# Altium PCB Cell_121.PcbDoc (part 3 of 3)
Units mm, origin at the board's own origin, x right, y up, seen from the top; angles counter-clockwise.
Board outline 240 x 140.7 mm, 2 copper layers (Top Layer, Bottom Layer); 104 components, 188 nets, 1002 pads, 411 vias.
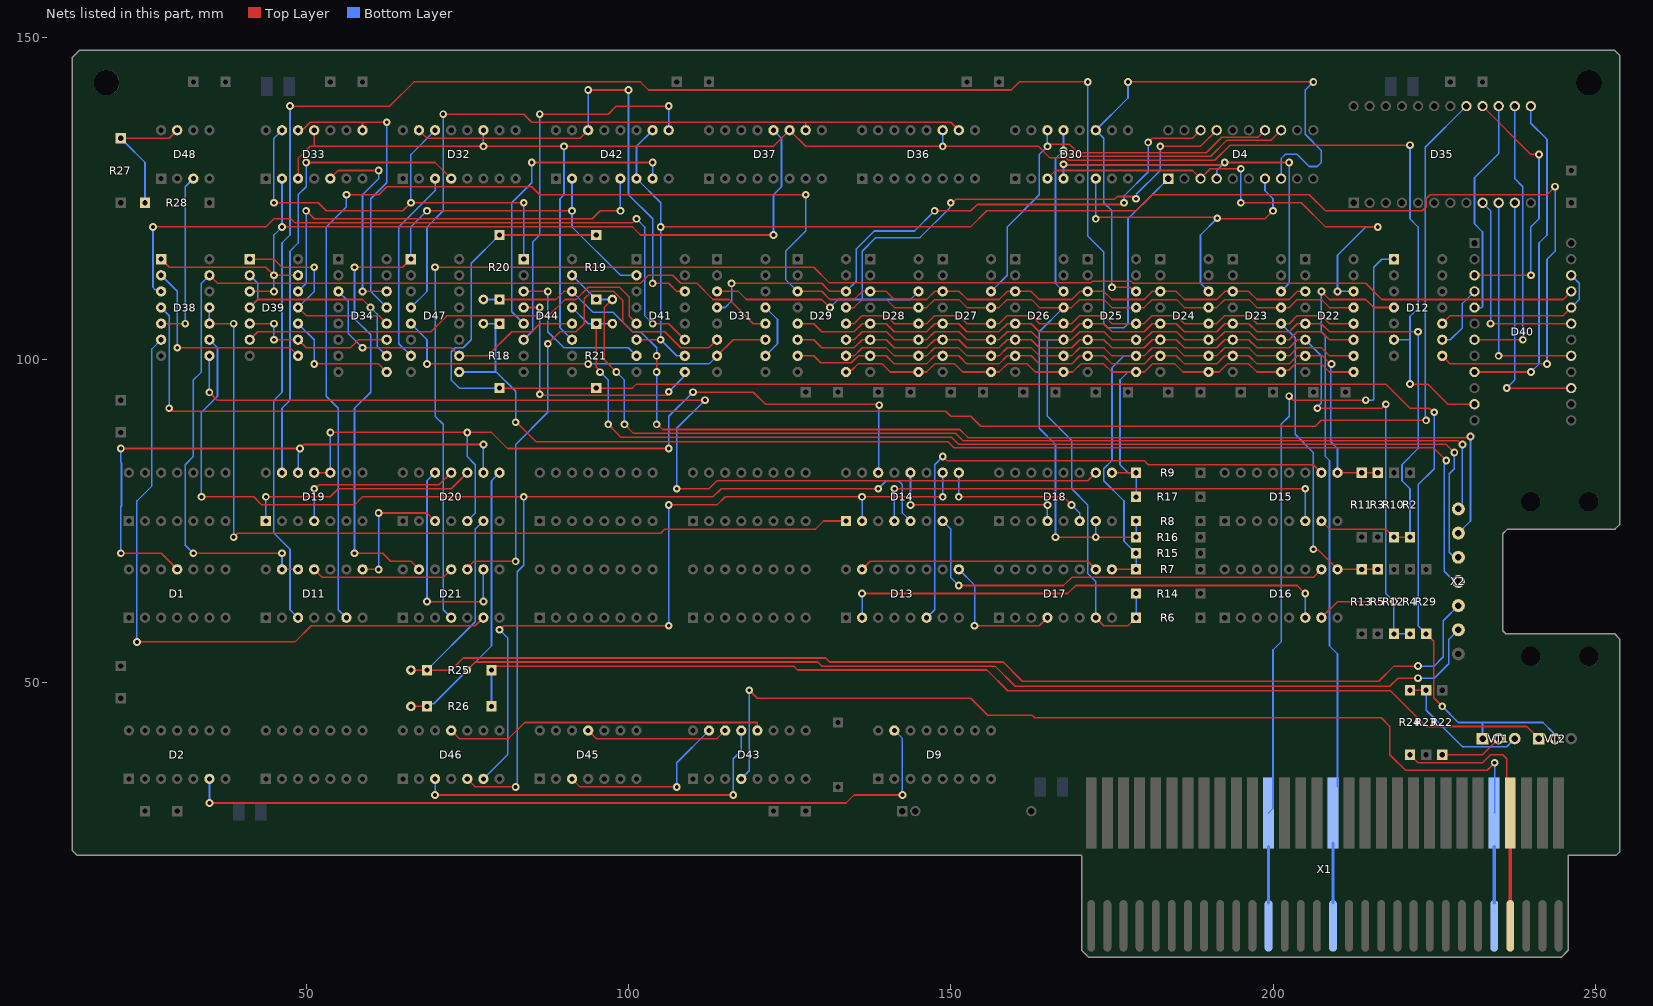
[diagram p3: the nets of this part, all layers, seen from the top]

## Via types
v1: diameter 1.2, hole 0.6, Top Layer to Bottom Layer, 411 vias

## Nets (pads, with @x,y where several pads share a name; then routed paths per layer and width w, separated by ;. In a path a pad name is that pad's centre, name@x,y a point inside that pad or via, vN(x,y) a via of type N, cw(c..) or ccw(c..) an arc to the next point about the centre after c; other vN are vias at no path point) (continued)
NetD11_6: D11.6 D22.3 D23.3 D24.3 D25.3 D26.3 D27.3 D28.3 D29.3 | length 243.6
  Top Layer w0.25: v1(56.25,125.625) 61.25,125.625 62.5,126.875 85,126.875 86.25,125.625 v1(127.5,125.625) ; D29.3@126.244,110.617 126.258,110.617 129.996,110.629 131.25,109.375 135,109.375 136.25,110.625 137.494,110.617 137.507,110.617 140,110.625 141.25,109.375 146.25,109.375 147.5,110.625 148.743,110.617 148.758,110.617 151.25,110.625 151.338,110.625 152.588,109.375 157.5,109.375 158.75,110.625 159.994,110.617 160.008,110.617 162.5,110.625 163.75,109.375 168.75,109.375 170,110.625 171.244,110.617 171.258,110.617 173.75,110.625 175,109.375 180,109.375 181.25,110.625 182.494,110.617 182.508,110.617 185,110.625 186.25,109.375 191.25,109.375 192.5,110.625 193.744,110.617 193.758,110.617 196.25,110.625 197.5,109.375 202.5,109.375 203.75,110.625 D22.3@204.994,110.617
  Bottom Layer w0.25: D11.6@56.25,60 55,61.25 55,92.5 53.125,94.375 53.125,120.625 56.25,123.75 v1(56.25,125.625) ; D29.3@126.244,110.617 124.375,112.486 124.375,116.875 127.5,120 v1(127.5,125.625)
NetD11_8: D11.8 D20.3 | length 20.5
  Top Layer w0.25: D11.8@58.75,67.5 v1(61.25,67.5) ; v1(61.25,76.25) 68.75,76.25 D20.3@70,75
  Bottom Layer w0.25: v1(61.25,67.5) v1(61.25,76.25)
NetD11_11: D11.11 D21.11 | length 22.3
  Top Layer w0.25: D11.11@51.25,67.5 52.5,66.25 71.25,66.25 D21.11@72.5,67.5
NetD11_12: D11.12 D11.13 D31.12 D38.13 | length 154.3
  Top Layer w0.25: v1(32.5,70) v1(46.25,70) ; D38.13@34.994,113.117 36.236,111.875 101.875,111.875 103.125,113.125 106.875,113.125 108.125,111.875 110.625,111.875 113.125,109.375 115.625,109.375 119.375,105.625 D31.12@121.25,105.625 ; D11.13@46.25,67.5 D11.12@48.75,67.5
  Bottom Layer w0.25: v1(32.5,70) 31.25,71.25 31.25,83.75 32.5,85 32.5,96.875 33.75,98.125 33.75,111.874 D38.13@34.994,113.117 ; D11.13@46.25,67.5 v1(46.25,70)
NetD12_1: D12.1 X1.A12 | length 103.6
  Top Layer w0.25: v1(202.5,94.375) 203.125,93.75 v1(214.375,93.75)
  Bottom Layer w0.25: X1.A12@199.3,29.7 200,30.4 200,55 201.25,56.25 201.25,90 202.5,91.25 v1(202.5,94.375) ; v1(214.375,93.75) 215.479,93.75 215.625,93.896 215.625,114.375 216.867,115.617 D12.1@218.744,115.617
NetD12_4: D12.4 X1.A16 | length 90.2
  Top Layer w0.25: v1(207.5,110.625) 208.75,109.375 214.375,109.375 215.625,108.125 218.736,108.125 D12.4@218.744,108.117
  Bottom Layer w0.25: v1(207.5,110.625) 207.5,104.375 208.052,103.823 208.125,103.75 208.125,85 208.75,84.375 208.75,55.625 210,54.375 X1.A16@210,33.75
NetD12_6: D12.6 D32.11 D33.3 D33.11 D36.11 D37.11 D40.11 D44.11 | length 270.8
  Top Layer w0.25: D33.3@48.75,128.125 48.75,131.25 50.625,133.125 51.104,133.125 51.25,133.271 ; D33.11@51.25,135.625 51.25,133.271 ; v1(221.245,133.313) 193.313,133.313 190.953,130.953 168.286,130.953 167.906,131.333 165.407,131.333 163.615,133.125 v1(148.75,133.125) 127.5,133.125 D37.11@125,135.625 122.5,133.125 120,133.125 v1(90,133.125) v1(77.5,133.125) 51.396,133.125 51.25,133.271 ; v1(221.25,96.25) 224.017,96.25 227.142,93.125 D40.11@231.25,93.125
  Bottom Layer w0.25: v1(77.5,133.125) D32.11@77.5,135.625 ; v1(90,133.125) 90,125.625 89.375,125 89.375,104.986 D44.11@91.244,103.117 ; v1(148.75,133.125) D36.11@148.75,135.625 ; D12.6@218.75,103.125 221.25,103.125 ; v1(221.245,133.313) 221.245,121.88 222.5,120.625 222.5,107.979 221.25,106.729 221.25,103.125 ; v1(221.25,96.25) 221.25,103.125
NetD12_8: D12.8 D41.6 D41.10 D42.6 D42.10 | length 232.6
  Top Layer w0.25: D41.6@101.25,103.125 v1(105,103.125) ; v1(105,120.625) 153.067,120.625 155.567,123.125 178.75,123.125 181.25,125.625 205.625,125.625 208.125,123.125 223.125,123.125 223.75,123.75 223.75,125 224.375,125.625 242.5,125.625 v1(243.75,126.875) ; D12.8@226.243,100.617 227.486,99.375 v1(242.5,99.375)
  Bottom Layer w0.25: D42.10@103.75,135.625 101.25,133.125 D42.6@101.25,128.125 105,124.375 v1(105,120.625) v1(105,103.125) 107.5,100.625 108.736,100.625 D41.10@108.744,100.617 ; v1(242.5,99.375) 242.5,115.625 243.75,116.875 v1(243.75,126.875)
NetD12_9: D12.9 D40.4 | length 10.3
  Bottom Layer w0.25: D12.9@226.25,103.125 227.5,103.125 229.376,105.001 229.376,108.749 D40.4@231.243,110.617
NetD12_10: D12.10 D40.20 D40.22 | length 27.1
  Top Layer w0.25: D12.10@226.244,105.617 227.501,106.875 245,106.875 D40.20@246.25,108.125
  Bottom Layer w0.25: D40.20@246.244,108.117 247.5,109.374 247.5,111.875 D40.22@246.25,113.125
NetD13_2: D13.2 D16.6 | length 77.3
  Top Layer w0.25: v1(136.25,63.75) 168.125,63.75 169.375,65 203.75,65 v1(205,63.75)
  Bottom Layer w0.25: D13.2@136.25,60 v1(136.25,63.75) ; D16.6@205,60 v1(205,63.75)
NetD13_6: D13.6 D15.10 | length 85.8
  Top Layer w0.25: v1(148.75,85) 149.375,84.375 180,84.375 180.625,83.75 206.25,83.75 D15.10@207.5,82.5
  Bottom Layer w0.25: D13.6@146.25,60 147.5,61.25 147.5,83.75 v1(148.75,85)
NetD13_9: D13.9 D17.4 | length 21.6
  Top Layer w0.25: v1(153.7,58.75) 163.75,58.75 D17.4@165,60
  Bottom Layer w0.25: D13.9@151.25,67.5 153.75,65 153.75,58.8 v1(153.7,58.75)
NetD13_15: D13.15 D17.10 | length 37.3
  Top Layer w0.25: D13.15@136.25,67.5 137.5,68.75 171.25,68.75 D17.10@172.5,67.5
NetD14_1: D14.1 D38.10 D38.11 | length 135.4
  Top Layer w0.25: D38.10@34.994,105.617 D38.10@35,105.625 v1(38.75,105.625) ; v1(38.75,72.5) 39.375,73.125 105,73.125 105.625,73.75 129.012,73.75 130.262,75 D14.1@133.75,75
  Bottom Layer w0.25: D38.10@34.994,105.617 D38.11@34.994,108.117 ; v1(38.75,72.5) v1(38.75,105.625)
NetD14_2: D14.2 D14.10 D46.6 | length 121
  Top Layer w0.25: v1(80,58.125) 80.625,58.75 v1(106.25,58.75) ; v1(106.25,77.5) 113.75,77.5 115,78.75 v1(148.75,78.75)
  Bottom Layer w0.25: D46.6@77.5,35 81.25,38.75 81.25,56.875 v1(80,58.125) ; v1(106.25,58.75) v1(106.25,77.5) ; D14.2@136.25,75 v1(136.25,78.75) ; v1(148.75,78.75) D14.10@148.75,82.5
NetD14_4: D14.4 D15.6 | length 73.7
  Top Layer w0.25: v1(141.25,80) v1(205,80)
  Bottom Layer w0.25: D14.4@141.25,75 v1(141.25,80) ; D15.6@205,75 v1(205,80)
NetD14_5: D14.5 D38.9 D46.5 | length 196.7
  Top Layer w0.25: v1(33.75,78.75) 41.875,78.75 43.125,77.5 57.5,77.5 58.75,78.75 v1(83.75,78.75) 113.125,78.75 114.375,80 v1(138.75,80) ; D46.5@75,35 76.25,33.75 v1(82.5,33.75)
  Bottom Layer w0.25: v1(33.75,78.75) 33.75,91.875 36.25,94.375 36.25,101.876 D38.9@35,103.125 ; v1(82.5,33.75) 82.682,33.932 82.682,34.296 82.757,34.371 82.757,67.132 83.75,68.125 v1(83.75,78.75) ; v1(138.75,80) 140,81.25 141.875,81.25 142.5,80.625 142.5,76.25 D14.5@143.75,75
NetD14_7: D14.7 D16.10 | length 68.3
  Top Layer w0.25: v1(151.25,65) 167.5,65 168.75,66.25 206.25,66.25 D16.10@207.5,67.5
  Bottom Layer w0.25: D14.7@148.75,75 150,73.75 150,66.25 v1(151.25,65)
NetD14_9: D14.9 D18.6 | length 24.8
  Top Layer w0.25: v1(151.25,78.75) 167.5,78.75 v1(168.75,77.5)
  Bottom Layer w0.25: v1(151.25,78.75) D14.9@151.25,82.5 ; v1(168.75,77.5) 170,76.25 D18.6@170,75
NetD14_12: D14.12 D18.4 | length 28.7
  Top Layer w0.25: v1(143.75,77.5) v1(165,77.5)
  Bottom Layer w0.25: v1(143.75,77.5) D14.12@143.75,82.5 ; D18.4@165,75 v1(165,77.5)
NetD14_14: D14.14 D19.10 D19.11 D20.5 | length 127.7
  Top Layer w0.25: D19.11@51.25,82.5 D19.10@53.75,82.5 ; v1(53.75,88.75) v1(75,88.75) 78.75,88.75 81.25,86.25 v1(106.25,86.25) ; v1(110,95) 119.375,95 121.25,93.125 138.761,93.125 v1(138.911,92.975)
  Bottom Layer w0.25: D19.10@53.75,82.5 v1(53.75,88.75) ; D20.5@75,75 76.25,76.25 76.25,83.75 75,85 v1(75,88.75) ; v1(106.25,86.25) 106.25,91.25 v1(110,95) ; D14.14@138.75,82.5 138.83,82.58 138.83,92.895 v1(138.911,92.975)
NetD18_10: D18.10 D38.8 | length 164.7
  Top Layer w0.25: v1(34.98,94.961) 36.191,93.75 v1(111.875,93.75) ; v1(107.5,80) 112.5,80 113.75,81.25 171.25,81.25 D18.10@172.5,82.5
  Bottom Layer w0.25: v1(34.98,94.961) 34.99,94.971 34.99,100.614 D38.8@34.994,100.617 ; v1(107.5,80) 107.5,89.375 v1(111.875,93.75)
NetD19_1: D19.1 D20.10 | length 36.6
  Top Layer w0.25: v1(43.75,78.75) 53.75,78.75 55,80 72.5,80 D20.10@75,82.5
  Bottom Layer w0.25: D19.1@43.75,75 v1(43.75,78.75)
NetD19_4: D19.4 D20.11 | length 27.3
  Top Layer w0.25: v1(51.25,80) 51.379,80 52.004,80.625 70.625,80.625 D20.11@72.5,82.5
  Bottom Layer w0.25: D19.4@51.25,75 v1(51.25,80)
NetD19_13: D19.13 D32.4 | length 73.2
  Top Layer w0.25: v1(50,130.625) 70,130.625 D32.4@72.5,128.125
  Bottom Layer w0.25: D19.13@46.25,82.5 46.25,92.5 47.5,93.75 47.5,116.875 48.75,118.125 48.75,125.625 50,126.875 v1(50,130.625)
NetD20_6: D20.6 pad.1@66.25,51.875 R25.1 X2.5 | length 199.9
  Top Layer w0.25: pad.1@66.25,51.875 R25.1@68.75,51.875 72.5,51.875 74.375,53.75 130.625,53.75 131.25,53.125 158.125,53.125 161.1,50.15 216.4,50.15 218.75,52.5 v1(222.5,52.5)
  Bottom Layer w0.25: R25.1@68.75,51.875 76.25,59.375 76.25,73.75 D20.6@77.5,75 ; v1(222.5,52.5) 225,52.5 226.425,53.925 226.425,59.55 X2.5@228.924,62.049
NetD20_8: D20.8 pad.1@66.25,46.25 R26.1 X2.4 | length 205.8
  Top Layer w0.25: pad.1@66.25,46.25 R26.1@68.75,46.25 ; v1(75,51.875) 76.25,53.125 129.375,53.125 130,52.5 156.875,52.5 160,49.375 218.125,49.375 219.375,50.625 v1(222.5,50.625)
  Bottom Layer w0.25: R26.1@68.75,46.25 69.154,46.654 69.779,46.654 78.75,55.625 78.75,81.25 D20.8@80,82.5 ; v1(222.5,50.625) 225,50.625 227.251,52.876 227.251,56.626 X2.4@228.986,58.361
NetD20_12: D20.12 D21.9 | length 34.3
  Top Layer w0.25: v1(68.75,62.5) v1(77.5,62.5)
  Bottom Layer w0.25: v1(68.75,62.5) 68.75,81.25 D20.12@70,82.5 ; v1(77.5,62.5) D21.9@77.5,67.5
NetD21_4: D21.4 D40.21 | length 234.5
  Top Layer w0.25: v1(70,114.375) 126.25,114.375 128.75,114.375 131.183,111.942 171.735,111.942 172.022,112.229 177.971,112.229 178.325,111.875 214.375,111.875 216.875,109.375 245,109.375 D40.21@246.25,110.625
  Bottom Layer w0.25: v1(70,114.375) 70,91.25 71.25,90 71.25,61.25 D21.4@72.5,60
NetD21_6: D21.6 D38.6 | length 103.7
  Top Layer w0.25: v1(23.75,56.25) 48.271,56.25 50.771,58.75 76.25,58.75 D21.6@77.5,60
  Bottom Layer w0.25: v1(23.75,56.25) 23.75,78.125 26.075,80.45 26.075,101.7 D38.6@27.492,103.117
NetD21_10: D21.10 D31.6 | length 81.9
  Top Layer w0.25: D21.10@75,67.5 75,67.696 76.054,68.75 v1(82.5,68.75) ; v1(87.5,102.5) 89.375,104.375 91.875,104.375 93.125,105.625 93.125,109.489 94.261,110.625 97.7,110.625 99.112,109.212 99.112,105.888 100.625,104.375 105.625,104.375 108.125,101.875 112.5,101.875 D31.6@113.75,103.125
  Bottom Layer w0.25: v1(82.5,68.75) 82.5,86.875 87.5,91.875 v1(87.5,102.5)
NetD21_13: D21.13 D41.2 D42.2 D47.1 | length 118.4
  Top Layer w0.25: v1(57.5,70) 61.875,70 63.125,68.75 66.25,68.75 D21.13@67.5,67.5 ; v1(57.5,114.375) 65,114.375 D47.1@66.25,115.625 ; v1(68.75,123.125) v1(91.25,123.125)
  Bottom Layer w0.25: v1(57.5,70) 57.5,92.5 60,95 60,103.896 57.5,106.396 v1(57.5,114.375) ; D47.1@66.244,115.617 66.244,120.618 v1(68.75,123.125) ; D42.2@91.25,128.125 v1(91.25,123.125) 91.25,120.625 98.758,113.117 D41.2@101.244,113.117
NetD31_7: D31.7 D31.11 D47.5 | length 61.3
  Top Layer w0.25: v1(68.75,99.375) v1(93.75,99.375) ; D31.7@113.75,100.625 116.25,103.125 D31.11@121.25,103.125
  Bottom Layer w0.25: D47.5@66.25,105.625 68.75,103.126 v1(68.75,99.375) ; v1(93.75,99.375) 112.501,99.375 D31.7@113.744,100.617
NetD31_10: D31.10 D31.13 | length 9
  Bottom Layer w0.25: D31.10@121.25,100.625 123.117,102.492 123.117,106.258 D31.13@121.251,108.125
NetD32_3: D32.3 D47.7 | length 30.6
  Bottom Layer w0.25: D47.7@66.25,100.625 64.375,102.5 64.375,120.625 70,126.25 D32.3@70,128.125
NetD32_14: D32.14 D33.13 D44.1 | length 73.1
  Top Layer w0.25: v1(45,124.375) 51.875,124.375 53.125,123.125 65,123.125 v1(66.25,124.375) v1(83.75,124.375)
  Bottom Layer w0.25: v1(45,124.375) 45,134.375 D33.13@46.25,135.625 ; v1(66.25,124.375) 66.25,131.875 D32.14@70,135.625 ; D44.1@83.744,115.617 83.75,115.624 v1(83.75,124.375)
NetD32_15: D32.15 D41.14 D42.14 | length 76.9
  Top Layer w0.25: D32.15@67.5,135.625 68.75,134.375 92.5,134.375 D42.14@93.75,135.625 ; v1(93.75,141.875) v1(100,141.875) ; v1(103.75,111.875) 106.25,111.875 107.5,110.625 D41.14@108.75,110.625
  Bottom Layer w0.25: D42.14@93.75,135.625 v1(93.75,141.875) ; v1(100,141.875) 100,125.625 103.75,121.875 v1(103.75,111.875)
NetD33_2: D33.2 D37.12 D38.1 D39.3 D39.13 | length 138.1
  Top Layer w0.25: D38.1@27.5,115.625 28.75,114.375 43.75,114.375 v1(45,113.125) D39.13@48.75,113.125 ; D39.3@41.25,110.625 v1(45,110.625) ; v1(46.25,120.625) 100.625,120.625 101.875,119.375 v1(122.5,119.375)
  Bottom Layer w0.25: v1(45,110.625) 45,119.375 v1(46.25,120.625) D33.2@46.25,128.125 ; v1(122.5,119.375) 122.5,125.625 123.75,126.875 123.75,134.375 D37.12@122.5,135.625
NetD33_5: D33.5 D34.14 | length 31.6
  Top Layer w0.25: D33.5@53.75,128.125 55,129.375 v1(61.25,129.375) ; v1(58.75,110.625) D34.14@62.5,110.625
  Bottom Layer w0.25: v1(58.75,110.625) 58.75,125.625 61.25,128.125 v1(61.25,129.375)
NetD33_8: D33.8 D33.12 D34.13 | length 46.3
  Top Layer w0.25: D33.12@48.75,135.625 49.375,135.625 50.625,136.875 v1(62.5,136.875) ; D33.8@58.75,135.625 58.75,136.875
  Bottom Layer w0.25: D34.13@62.494,108.117 60,110.611 60,125 62.5,127.5 v1(62.5,136.875)
NetD34_3: D34.3 D44.12 D47.10 | length 45.4
  Top Layer w0.25: v1(58.75,101.875) 72.5,101.875 D47.10@73.75,100.625 ; D47.10@73.75,100.617 77.493,100.617 77.5,100.625 78.125,100.625 81.875,104.375 85,104.375 86.25,105.625 D44.12@91.25,105.625
  Bottom Layer w0.25: D34.3@54.994,110.617 56.532,109.079 56.532,104.093 v1(58.75,101.875)
NetD34_9: D34.9 D39.10 | length 19.1
  Top Layer w0.25: v1(51.25,99.375) 61.25,99.375 D34.9@62.5,98.125
  Bottom Layer w0.25: D39.10@48.75,105.625 51.25,103.125 v1(51.25,99.375)
NetD34_10: D34.10 D39.2 D39.4 | length 34.4
  Top Layer w0.25: D39.4@41.25,108.125 42.5,109.375 58.75,109.375 v1(60,108.125)
  Bottom Layer w0.25: D39.4@41.244,108.117 42.5,109.374 42.5,111.876 D39.2@41.251,113.125 ; v1(60,108.125) 61.008,107.117 61.008,102.117 D34.10@62.494,100.631
NetD34_11: D34.11 D39.5 D39.9 | length 24.8
  Top Layer w0.25: D39.5@41.25,105.625 v1(45,105.625) ; v1(45,103.125) D39.9@48.75,103.125 50,101.875 56.875,101.875 58.125,103.125 D34.11@62.5,103.125
  Bottom Layer w0.25: v1(45,103.125) v1(45,105.625)
NetD34_12: D34.12 D39.1 D39.11 | length 32.6
  Top Layer w0.25: D39.1@41.25,115.625 45,115.625 46.25,114.375 v1(51.25,114.375) ; D39.11@48.75,108.125 50,106.875 61.25,106.875 D34.12@62.5,105.625
  Bottom Layer w0.25: D39.11@48.744,108.117 51.25,110.624 v1(51.25,114.375)
NetD35_9: D35.9 D40.19 | length 31.8
  Top Layer w0.25: v1(233.75,105.625) D40.19@246.25,105.625
  Bottom Layer w0.25: D35.9@232.5,124.375 233.75,123.125 v1(233.75,105.625)
NetD35_10: D35.10 D40.17 | length 35
  Top Layer w0.25: v1(235,100.625) D40.17@246.25,100.625
  Bottom Layer w0.25: v1(235,100.625) D35.10@235,124.375
NetD35_11: D35.11 D40.15 | length 39.3
  Top Layer w0.25: v1(236.25,95.625) D40.15@246.277,95.625
  Bottom Layer w0.25: v1(236.25,95.625) 237.5,96.875 D35.11@237.5,124.375
NetD35_13: D35.13 D40.9 | length 52.5
  Top Layer w0.25: D40.9@230.785,98.125 v1(240,98.125)
  Bottom Layer w0.25: v1(240,98.125) 241.25,99.375 241.25,118.125 242.5,119.375 242.5,134.229 240,136.729 D35.13@240,139.375
NetD35_14: D35.14 D40.7 | length 44.3
  Top Layer w0.25: D40.7@231.25,103.125 v1(238.75,103.125)
  Bottom Layer w0.25: D35.14@237.5,139.375 237.5,128.125 238.75,126.875 v1(238.75,103.125)
NetD35_15: D35.15 D40.5 | length 34.5
  Bottom Layer w0.25: D40.5@231.243,108.117 232.354,108.117 232.5,108.264 232.5,119.854 231.25,121.104 231.25,128.271 235,132.021 D35.15@235,139.375
NetD35_16: D35.16 D40.3 | length 39.9
  Top Layer w0.25: D40.3@231.25,113.125 v1(240,113.125) ; D35.16@232.5,139.375 240,131.875 v1(241.25,131.875)
  Bottom Layer w0.25: v1(240,113.125) 240,120.625 241.25,121.875 v1(241.25,131.875)
NetD35_17: D35.17 D38.4 | length 264.1
  Top Layer w0.25: v1(28.75,92.5) 28.913,92.5 29.371,92.041 149.209,92.041 149.98,91.271 153.105,91.271 154.675,89.7 206.575,89.7 207.499,90.624 v1(223.748,90.624)
  Bottom Layer w0.25: D38.4@27.494,108.117 28.75,106.861 v1(28.75,92.5) ; v1(223.748,90.624) 223.625,90.747 223.625,133 D35.17@230,139.375
NetD36_10: D36.10 D37.10 D47.4 | length 114.4
  Top Layer w0.25: v1(71.25,138.125) 83.75,138.125 85,136.875 127.5,136.875 ; D37.10@127.5,135.625 127.5,136.875 ; D36.10@151.25,135.625 150,136.875 127.5,136.875
  Bottom Layer w0.25: D47.4@66.244,108.117 68.75,110.624 68.75,120.625 71.25,123.125 v1(71.25,138.125)
NetD38_2: D38.2 D39.8 | length 31.6
  Top Layer w0.25: v1(30,101.875) 47.5,101.875 D39.8@48.75,100.625
  Bottom Layer w0.25: D38.2@27.5,113.125 30,110.626 v1(30,101.875)
NetD38_3: D38.3 D41.11 | length 110.2
  Top Layer w0.25: v1(26.25,120.625) 43.75,120.625 45,121.875 47.646,121.875 48.271,121.25 100.625,121.25 v1(101.25,121.875) ; v1(103.75,105.625) 106.25,105.625 D41.11@108.75,103.125
  Bottom Layer w0.25: v1(26.25,120.625) 26.25,111.243 26.609,110.883 27.228,110.883 D38.3@27.494,110.617 ; v1(101.25,121.875) 102.5,120.625 102.5,106.875 v1(103.75,105.625)
NetD38_5: D38.5 D48.3 | length 26.8
  Top Layer w0.25: D38.5@27.5,105.625 v1(31.25,105.625)
  Bottom Layer w0.25: v1(31.25,105.625) 31.25,126.875 D48.3@32.5,128.125
NetD39_6: D39.6 D41.5 | length 67.4
  Top Layer w0.25: D39.6@41.25,103.125 42.5,104.375 69.375,104.375 71.875,106.875 87.646,106.875 90.146,109.375 91.875,109.375 93.75,111.25 98.604,111.25 100.11,109.743 100.11,106.765 D41.5@101.25,105.625
NetD39_12: D39.12 D42.5 | length 67.8
  Top Layer w0.25: v1(50,123.125) 51.25,121.875 94.375,121.875 95.625,123.125 v1(98.75,123.125)
  Bottom Layer w0.25: D39.12@48.744,110.617 50,111.874 v1(50,123.125) ; v1(98.75,123.125) D42.5@98.75,128.125
NetD41_7: D41.7 D44.3 | length 25.3
  Top Layer w0.25: D44.3@83.75,110.625 v1(87.5,110.625)
  Bottom Layer w0.25: v1(87.5,110.625) 87.5,104.375 90,101.875 99.986,101.875 D41.7@101.243,100.617
NetD41_9: D41.9 D44.4 | length 40.6
  Top Layer w0.25: D44.4@83.75,108.125 v1(86.25,108.125) ; v1(86.25,94.675) 86.407,94.518 106.068,94.518 106.068,94.875 v1(106.25,95.057)
  Bottom Layer w0.25: v1(86.25,94.675) v1(86.25,108.125) ; v1(106.25,95.057) 108.492,97.299 108.492,97.867 D41.9@108.75,98.125
NetD42_7: D42.7 D44.5 | length 48.3
  Top Layer w0.25: v1(85,130.625) v1(103.75,130.625)
  Bottom Layer w0.25: D44.5@83.744,105.617 81.875,107.486 81.875,124.375 85,127.5 v1(85,130.625) ; D42.7@103.75,128.125 v1(103.75,130.625)
NetD42_9: D42.9 D44.6 | length 60.3
  Top Layer w0.25: v1(86.25,138.125) 96.875,138.125 98.125,139.375 v1(106.25,139.375)
  Bottom Layer w0.25: D44.6@83.744,103.119 85.167,104.542 85.167,118.292 86.25,119.375 v1(86.25,138.125) ; D42.9@106.25,135.625 v1(106.25,139.375)
NetD43_4: D43.4 X1.A26 | length 145.9
  Top Layer w0.25: v1(118.75,48.75) 120,47.5 153.125,47.5 155.735,44.89 162.61,44.89 163.03,44.47 216.78,44.47 218.125,43.125 218.125,38.75 220.533,36.342 233.217,36.342 v1(234.375,37.5)
  Bottom Layer w0.25: D43.4@117.5,35 118.75,36.25 v1(118.75,48.75) ; X1.A26@234.3,29.7 234.375,29.775 v1(234.375,37.5)
NetD43_12: D43.12 D46.11 | length 50.3
  Top Layer w0.25: D46.11@72.5,42.5 73.75,41.25 81.396,41.25 83.896,43.75 120,43.75 D43.12@120,42.5
NetD43_13: D43.13 D46.3 | length 59.3
  Top Layer w0.25: v1(70,32.5) v1(116.25,32.5)
  Bottom Layer w0.25: v1(70,32.5) D46.3@70,35 ; v1(116.25,32.5) 116.25,38.125 117.5,39.375 D43.13@117.5,42.5
NetD43_14: D43.14 D45.11 | length 22.3
  Top Layer w0.25: D45.11@93.75,42.5 95,41.25 113.75,41.25 D43.14@115,42.5
NetD43_15: D43.15 D45.3 | length 27.6
  Top Layer w0.25: D45.3@91.25,35 92.5,33.75 v1(107.5,33.75)
  Bottom Layer w0.25: v1(107.5,33.75) 107.5,37.5 D43.15@112.5,42.5
NetD48_7: D48.7 R27.1 R28.1 | length 20.8
  Top Layer w0.25: R27.1@21.25,134.375 28.75,134.375 D48.7@30,135.625
  Bottom Layer w0.25: R27.1@21.25,134.375 21.925,133.7 25,130.625 R28.1@25,124.375
NetR18_2: R18.2 R19.1 R20.1 R21.2 R29.1 VT1.B VT2.C | length 267.3
  Top Layer w0.25: R18.2@80,95.625 91.719,95.625 R21.2@95,95.625 100.625,95.625 101.25,96.25 217.5,96.25 221.25,92.5 224.246,92.5 224.871,91.875 v1(225,91.875) ; R20.1@80,119.375 R19.1@95,119.375 ; R29.1@223.75,57.5 224.919,56.331 224.919,47.581 v1(226.25,46.25)
  Bottom Layer w0.25: R20.1@80,119.375 75.625,115 75.625,103.125 74.375,101.875 73.125,101.875 72.5,101.25 72.5,96.875 73.75,95.625 R18.2@80.264,95.625 ; R29.1@223.75,57.5 223.075,58.175 222.5,58.75 222.5,80.625 225,83.125 v1(225,91.875) ; v1(226.25,46.25) 228.75,43.75 232.5,43.75 ; VT1.B@232.5,41.25 232.5,43.75 ; VT2.C@243.75,41.25 243.453,41.547 243.453,42.172 241.875,43.75 232.5,43.75
NetR22_1: R22.1 VT1.C | length 9.8
  Top Layer w0.25: R22.1@226.25,38.75 232.5,38.75 VT1.C@235,41.25
NetR23_2: R23.2 R24.2 VT1.E | length 22.2
  Top Layer w0.25: R24.2@221.25,48.75 R23.2@223.75,48.75
  Bottom Layer w0.25: R23.2@223.75,48.75 223.75,45.625 229.375,40 236.25,40 VT1.E@237.5,41.25
NetR24_1: R24.1 X1.B27 | length 21.4
  Top Layer w0.25: R24.1@221.25,38.75 222.5,37.5 232.5,37.5 233.75,38.75 235.625,38.75 236.25,38.125 X1.B27@236.25,33.068
NetR25_2: R25.2 R26.2 VT2.B | length 173.7
  Top Layer w0.25: R25.2@78.75,51.875 79.375,52.5 125.625,52.5 126.235,51.89 155.61,51.89 158.843,48.657 218.218,48.657 223.75,43.125 239.375,43.125 VT2.B@241.25,41.25
  Bottom Layer w0.25: R26.2@78.75,46.25 R25.2@78.75,52.5
RA0: D15.7 D22.5 D23.5 D24.5 D25.5 D26.5 D27.5 D28.5 D29.5 R2.1 R10.1 | length 152.2
  Top Layer w0.25: D29.5@126.244,105.617 126.258,105.617 128.75,105.625 130,104.375 135,104.375 136.25,105.625 137.494,105.617 137.507,105.617 140,105.625 141.25,104.375 146.25,104.375 147.5,105.625 148.743,105.617 148.758,105.617 151.25,105.625 152.5,104.375 157.5,104.375 158.75,105.625 159.994,105.617 160.008,105.617 162.5,105.625 163.75,104.375 168.75,104.375 170,105.625 171.244,105.617 171.258,105.617 173.75,105.625 175,104.375 180,104.375 181.25,105.625 182.494,105.617 182.508,105.617 185,105.625 186.25,104.375 191.25,104.375 192.5,105.625 193.744,105.617 193.758,105.617 196.25,105.625 197.5,104.375 202.5,104.375 203.75,105.625 D22.5@204.994,105.617 ; D22.5@205,105.624 205.001,105.625 207.5,105.625 208.75,104.375 v1(222.5,104.375) ; D15.7@207.5,75 208.75,73.75 217.5,73.75 R10.1@218.75,72.5 R2.1@221.25,72.5
  Bottom Layer w0.25: R2.1@221.25,72.5 221.25,80 220,81.25 220,83.75 222.5,86.25 v1(222.5,104.375)
RA1: D15.9 D22.7 D23.7 D24.7 D25.7 D26.7 D27.7 D28.7 D29.7 R3.2 R11.2 | length 114.1
  Top Layer w0.25: D29.7@126.244,100.617 126.258,100.617 128.75,100.625 129.825,99.55 134.561,99.55 135.629,100.617 137.507,100.617 140,100.625 141.25,99.375 146.25,99.375 147.5,100.625 148.743,100.617 148.758,100.617 151.25,100.625 152.5,99.375 157.5,99.375 158.75,100.625 159.994,100.617 160.008,100.617 162.5,100.625 163.75,99.375 168.75,99.375 170,100.625 171.244,100.617 171.258,100.617 173.75,100.625 175,99.375 180,99.375 181.25,100.625 182.494,100.617 182.508,100.617 185,100.625 186.25,99.375 191.25,99.375 192.5,100.625 193.744,100.617 193.758,100.617 196.25,100.625 197.5,99.375 202.5,99.375 203.75,100.625 D22.7@204.994,100.617 ; D22.7@205,100.624 207.678,100.624 208.927,99.375 v1(209.075,99.375) ; D15.9@210,82.5 R3.2@216.25,82.5
  Bottom Layer w0.25: v1(209.075,99.375) 208.947,99.247 208.947,87.303 210,86.25 D15.9@210,82.5
RA2: D16.7 D22.6 D23.6 D24.6 D25.6 D26.6 D27.6 D28.6 D29.6 R4.1 R12.1 | length 159.7
  Top Layer w0.25: D29.6@126.244,103.117 126.258,103.117 128.75,103.125 130,101.875 135,101.875 136.25,103.125 137.494,103.117 137.507,103.117 140,103.125 141.25,101.875 146.25,101.875 147.5,103.125 148.743,103.117 148.758,103.117 151.25,103.125 152.5,101.875 157.5,101.875 158.75,103.125 159.994,103.117 160.008,103.117 162.5,103.125 163.75,101.875 168.75,101.875 170,103.125 171.244,103.117 171.258,103.117 173.75,103.125 175,101.875 180,101.875 181.25,103.125 182.494,103.117 182.508,103.117 185,103.125 186.25,101.875 191.25,101.875 192.5,103.125 193.744,103.117 193.758,103.117 196.25,103.125 197.5,101.875 202.5,101.875 203.75,103.125 D22.6@204.994,103.117 ; v1(206.875,92.5) 216.875,92.5 v1(217.5,93.125) ; D16.7@207.5,60 210,62.5 v1(218.75,62.5)
  Bottom Layer w0.25: D22.6@205,103.124 207.5,100.624 207.5,93.254 206.875,92.629 v1(206.875,92.5) ; v1(217.5,93.125) 217.5,63.75 v1(218.75,62.5) R12.1@218.75,57.5 R4.1@221.25,57.5
RA3: D16.9 D22.12 D23.12 D24.12 D25.12 D26.12 D27.12 D28.12 D29.12 R5.2 R13.2 | length 134.4
  Top Layer w0.25: D29.12@133.744,105.617 134.993,105.617 136.25,106.875 140.017,106.858 141.258,105.617 146.243,105.617 147.5,106.875 151.267,106.858 152.508,105.617 157.493,105.617 158.75,106.875 162.517,106.858 163.758,105.617 168.743,105.617 170,106.875 173.767,106.858 175.008,105.617 179.993,105.617 181.25,106.875 185.017,106.858 186.258,105.617 191.243,105.617 192.5,106.875 196.267,106.858 197.508,105.617 202.493,105.617 203.75,106.875 207.517,106.858 208.758,105.617 D22.12@212.494,105.617 ; v1(206.25,70.625) 206.377,70.498 207.002,70.498 D16.9@210,67.5 R13.2@213.75,67.5 R5.2@216.25,67.5
  Bottom Layer w0.25: D23.12@201.25,105.625 203.425,103.45 203.425,88.45 206.25,85.625 v1(206.25,70.625)
RA4: D17.7 D22.11 D23.11 D24.11 D25.11 D26.11 D27.11 D28.11 D29.11 R6.1 R14.1 | length 145.1
  Top Layer w0.25: D29.11@133.744,103.117 134.993,103.117 136.25,104.375 140.017,104.358 141.258,103.117 146.243,103.117 147.5,104.375 151.267,104.358 152.508,103.117 156.25,103.117 157.493,103.117 158.75,104.375 162.517,104.358 163.758,103.117 167.494,103.117 168.743,103.117 170,104.375 173.767,104.358 175.008,103.117 179.993,103.117 181.25,104.375 185.017,104.358 186.258,103.117 191.243,103.117 192.5,104.375 196.267,104.358 197.508,103.117 202.493,103.117 203.75,104.375 207.5,104.375 208.758,103.117 D22.11@212.494,103.117 ; D17.7@172.5,60 173.75,58.75 177.5,58.75 R6.1@178.75,60
  Bottom Layer w0.25: D26.11@167.494,103.117 167.486,103.125 165.146,103.125 165,102.979 165,91.25 168.75,87.5 168.75,80 171.25,77.5 171.25,66.875 172.5,65.625 D17.7@172.5,60 ; R6.1@178.75,60 R14.1@178.75,63.125
RA5: D17.9 D22.10 D23.10 D24.10 D25.10 D26.10 D27.10 D28.10 D29.10 R7.1 R15.1 | length 128.1
  Top Layer w0.25: D29.10@133.744,100.617 134.993,100.617 136.25,101.875 140.017,101.858 141.258,100.617 146.243,100.617 147.5,101.875 151.267,101.858 152.508,100.617 156.25,100.617 157.493,100.617 158.75,101.875 162.517,101.858 163.758,100.617 168.743,100.617 170,101.875 173.767,101.858 175.008,100.617 179.993,100.617 181.25,101.875 185.017,101.858 186.258,100.617 190.003,100.617 191.243,100.617 192.5,101.875 196.267,101.858 197.508,100.617 202.493,100.617 203.75,101.875 207.517,101.858 208.125,101.25 208.758,100.617 D22.10@212.494,100.617 ; D17.9@175,67.5 R7.1@178.75,67.5
  Bottom Layer w0.25: D25.10@178.744,100.617 178.736,100.625 176.875,100.625 175.017,98.767 175.017,84.392 173.75,83.125 173.75,81.25 176.875,78.125 176.875,71.875 R15.1@178.75,70 R7.1@178.75,67.5
RA6: D18.7 D22.13 D23.13 D24.13 D25.13 D26.13 D27.13 D28.13 D29.13 R8.1 R16.1 | length 141.7
  Top Layer w0.25: D29.13@133.744,108.117 134.993,108.117 136.25,109.375 140.017,109.358 141.258,108.117 146.243,108.117 147.5,109.375 151.267,109.358 152.508,108.117 156.25,108.117 157.493,108.117 158.75,109.375 162.517,109.358 163.758,108.117 168.743,108.117 170,109.375 173.767,109.358 175.008,108.117 179.993,108.117 181.25,109.375 185.017,109.358 186.258,108.117 191.243,108.117 192.5,109.375 196.267,109.358 197.508,108.117 201.25,108.117 202.493,108.117 203.75,109.375 207.517,109.358 208.758,108.117 D22.13@212.494,108.117 ; v1(166.25,72.5) v1(172.5,72.5) R16.1@178.75,72.5
  Bottom Layer w0.25: v1(166.25,72.5) 166.25,86.875 163.75,89.375 163.75,104.374 D26.13@167.494,108.117 ; v1(172.5,72.5) D18.7@172.5,75 ; R16.1@178.75,72.5 R8.1@178.75,75
RA7: D18.9 D22.9 D23.9 D24.9 D25.9 D26.9 D27.9 D28.9 D29.9 R9.1 R17.1 | length 112.8
  Top Layer w0.25: D29.9@133.75,98.125 134.008,98.383 134.633,98.383 135.625,99.375 136.018,99.375 ; 136.018,99.376 136.248,99.375 139.375,99.361 140.611,98.125 146.25,98.125 147.5,99.375 150.625,99.361 151.861,98.125 157.5,98.125 158.75,99.375 161.875,99.361 163.111,98.125 168.896,98.125 170.146,99.375 173.75,99.375 175,98.125 178.747,98.125 180,98.125 181.25,99.375 184.781,99.369 186.024,98.125 190.003,98.125 191.648,98.125 192.898,99.375 196.25,99.375 197.5,98.125 D23.9@201.25,98.125 201.505,98.38 202.425,98.38 203.424,99.379 ; D18.9@175,82.5 R9.1@178.75,82.5 ; 203.427,99.376 207.517,99.358 208.75,98.125 D22.9@212.655,98.125
  Bottom Layer w0.25: D25.9@178.747,98.121 177.496,98.121 176.25,96.875 176.25,83.75 177.5,82.5 R9.1@178.75,82.5 R17.1@178.75,78.75
RD0: D4.3 D22.14 D30.3 | length 75.9
  Top Layer w0.25: D30.3@165,128.125 166.25,129.375 187.5,129.375 D4.3@188.75,128.125 190.271,129.646 v1(195,129.646) ; v1(195,124.375) 204.375,124.375 208.125,120.625 v1(216.25,120.625)
  Bottom Layer w0.25: v1(195,124.375) v1(195,129.646) ; v1(210,110.625) 210,116.25 214.375,120.625 v1(216.25,120.625) ; v1(210,110.625) D22.14@212.5,110.624
RD1: D4.4 D23.14 D30.4 | length 61
  Top Layer w0.25: v1(167.5,130.354) 167.625,130.229 191.879,130.229 192.275,130.625 v1(202.5,130.625)
  Bottom Layer w0.25: D30.4@167.5,128.125 v1(167.5,130.354) ; D4.4@191.25,128.125 191.25,129.375 v1(192.5,130.625) ; D23.14@201.25,110.625 202.5,111.875 v1(202.5,130.625)
RD2: D4.7 D24.14 D30.6 | length 52.9
  Top Layer w0.25: v1(172.5,121.875) 172.682,122.057 173.053,122.057 173.121,122.125 191.204,122.125 v1(191.352,121.977) ; v1@191.352,121.875 198.75,121.875 v1(200,123.125)
  Bottom Layer w0.25: v1(172.5,121.875) D30.6@172.5,128.125 ; D24.14@190.003,110.628 188.75,111.881 188.75,119.375 v1(191.352,121.977) ; D4.7@198.75,128.125 198.75,126.25 200,125 v1(200,123.125)
RD3: D4.8 D25.14 D30.11 | length 92.5
  Top Layer w0.25: v1(175,111.25) 177.752,111.25 178.381,110.621 D25.14@178.747,110.621 ; v1(177.5,143.125) v1(206.25,143.125)
  Bottom Layer w0.25: v1(175,111.25) 175,123.125 173.75,124.375 173.75,134.375 D30.11@172.5,135.625 177.5,140.625 v1(177.5,143.125) ; D4.8@201.25,128.125 201.25,131.25 201.875,131.875 203.75,131.875 205.625,130 206.875,130 207.5,130.625 207.5,132.5 205,135 205,141.875 v1(206.25,143.125)
RD4: D4.13 D26.14 D30.13 | length 61.8
  Top Layer w0.25: v1(167.5,132.5) 168.43,131.57 190.32,131.57 192.85,134.1 199.725,134.1 D4.13@201.25,135.625
  Bottom Layer w0.25: D26.14@167.486,110.625 166.25,111.861 166.25,131.25 v1(167.5,132.5) D30.13@167.5,135.625
RD5: D4.14 D27.14 D30.14 | length 64.5
  Top Layer w0.25: v1(165,133.125) 165.257,133.125 165.611,133.479 168.396,133.479 169.729,132.146 189.646,132.146 192.05,134.55 197.675,134.55 D4.14@198.75,135.625
  Bottom Layer w0.25: D27.14@156.25,110.625 158.75,113.125 158.75,120.625 163.75,125.625 163.75,131.875 v1(165,133.125) D30.14@165,135.625
RD6: D4.17 D28.14 D31.3 | length 106.8
  Top Layer w0.25: D31.3@113.75,110.625 117.058,110.625 118.308,109.375 130,109.375 v1(131.25,108.125) ; v1(150,124.375) 150.257,124.375 150.799,124.917 175.406,124.917 175.843,125.354 178.139,125.354 178.493,125 v1(178.75,125) ; v1(182.5,133.125) 188.75,133.125 D4.17@191.25,135.625
  Bottom Layer w0.25: v1(131.25,108.125) 132.5,109.375 136.25,109.375 ; D28.14@145,110.625 143.75,109.375 136.25,109.375 ; v1(150,124.375) 149.873,124.248 149.873,123.623 145.228,118.978 138.353,118.978 136.25,116.875 136.25,109.375 ; v1(178.75,125) 178.877,125.127 178.877,125.752 182.5,129.375 v1(182.5,133.125)
RD7: D4.18 D29.14 D31.4 | length 95.3
  Top Layer w0.25: v1(115.979,111.878) 129.997,111.878 131.25,110.625 D29.14@133.75,110.625 ; v1(147.5,123.125) 153.125,123.125 154.113,124.113 176.356,124.113 176.618,124.375 v1(176.875,124.375) ; v1(180.625,133.75) 181.25,134.375 187.5,134.375 D4.18@188.75,135.625
  Bottom Layer w0.25: D31.4@113.75,108.125 115,108.125 115.998,109.123 115.998,111.859 v1(115.979,111.878) ; D29.14@133.751,110.625 135.339,112.213 135.339,117.214 138.125,120 144.375,120 v1(147.5,123.125) ; v1(176.875,124.375) 176.875,125.425 180.625,129.175 v1(180.625,133.75)
VB: D44.13 pad.1@97.5,105.625 R21.1 X2.1 | length 174.6
  Top Layer w0.25: R21.1@95,105.625 95,98.879 95.596,98.283 v1(95.596,98.096) ; v1(96.875,90) 98.125,88.75 98.899,87.976 150.149,87.976 151.219,86.906 226.844,86.906 v1(228.125,85.625)
  Bottom Layer w0.25: D44.13@91.251,108.125 93.751,105.625 pad.1@97.5,105.625 ; v1(95.596,98.096) 95.654,98.096 96.875,96.875 v1(96.875,90) ; v1(228.125,85.625) 228.125,83.125 227.334,82.334 227.334,70.166 X2.1@228.75,68.75
VG: D44.14 pad.1@77.5,109.375 R20.2 X2.6 | length 186
  Top Layer w0.25: R20.2@80,109.375 88.75,109.375 90,110.625 D44.14@91.25,110.625 ; v1(104.375,90) 104.504,90 105.297,89.207 151.418,89.207 152.68,87.945 230.445,87.945 v1(230.625,88.125) ; v1(104.375,98.125) v1(104.375,100.625)
  Bottom Layer w0.25: pad.1@77.5,109.375 R20.2@80,109.375 ; D44.14@91.25,110.625 94.492,107.383 97.617,107.383 100.625,104.375 101.875,104.375 104.375,101.875 v1(104.375,100.625) ; v1(104.375,90) v1(104.375,98.125) ; X2.6@228.636,73.011 230.625,75 v1(230.625,88.125)
VR: D44.15 pad.1@97.5,109.375 R19.2 X2.3 | length 170.3
  Top Layer w0.25: pad.1@97.5,109.375 96.25,108.125 96.25,100 v1(98.125,98.125) ; v1(99.375,90) 100.783,88.592 150.783,88.592 151.95,87.425 228.696,87.425 229.246,86.875 v1(229.375,86.875)
  Bottom Layer w0.25: D44.15@91.244,113.117 94.986,109.375 pad.1@97.5,109.375 ; v1(98.125,98.125) 99.375,96.875 v1(99.375,90) ; X2.3@229.375,76.875 v1(229.375,86.875)
VY: D47.9 pad.1@77.5,105.625 R18.1 X2.7 | length 192.2
  Top Layer w0.25: v1(82.5,90.325) 82.623,90.325 85.66,87.288 149.587,87.288 150.506,86.369 224.881,86.369 v1(226.875,84.375)
  Bottom Layer w0.25: D47.9@73.642,98.125 79.489,98.125 82.5,95.114 v1(82.5,90.325) ; pad.1@77.5,105.625 R18.1@80,105.625 79.375,105 79.375,98.125 ; v1(226.875,84.375) 226.875,84.118 226.539,83.782 226.539,67.211 227.79,65.96 228.415,65.96 X2.7@228.75,65.625
ВК: D4.1 D11.3 | length 276.2
  Top Layer w0.25: v1(47.5,139.375) 62.979,139.375 66.729,143.125 101.875,143.125 103.125,141.875 159.375,141.875 160.625,143.125 v1(171.25,143.125)
  Bottom Layer w0.25: v1(47.5,139.375) 47.5,119.375 46.25,118.125 46.25,95 45,93.75 45,73.125 45.625,72.5 47.5,70.625 47.5,61.25 D11.3@48.75,60 ; v1(171.25,143.125) 171.25,119.229 173.75,116.729 173.75,105.625 174.375,105 176.875,105 177.5,105.625 177.5,121.875 181.875,126.25 183.075,127.45 D4.1@183.75,128.125
ВЯ: D2.6 D9.15 | length 122.3
  Top Layer w0.25: v1(35,31.25) 133.75,31.25 135,32.5 v1(142.5,32.5)
  Bottom Layer w0.25: v1(35,31.25) D2.6@35,35 ; D9.15@141.25,42.5 142.5,41.25 v1(142.5,32.5)
КГИ: D1.11 D19.12 D20.9 | length 90.8
  Top Layer w0.25: v1(21.25,70) 27.5,70 D1.11@30,67.5 ; v1(21.25,86.25) 48.972,86.25 49.597,86.875 v1(77.5,86.875)
  Bottom Layer w0.25: v1(21.25,70) 21.25,77.201 21.35,77.301 21.35,84.063 21.25,84.163 v1(21.25,86.25) ; D19.12@48.75,82.5 48.75,85.153 48.75,85.36 v1(49.05,86.25) ; D20.9@77.5,82.5 v1(77.5,86.875)
pads on no net: D9.2 D9.5 D9.6 D9.7 D9.12 D9.13 D10.5 D10.10 D13.14 D21.1 D21.2 D21.3 D22.1 D23.1 D24.1 D25.1 D26.1 D27.1 D28.1 D29.1 D31.14 D31.15 D32.2 D32.6 D32.7 D32.12 D33.6 D33.9 D34.1 D34.2 D34.4 D34.5 D34.6 D34.7 D35.21 D36.2 D37.2 D40.2 D40.6 D40.8 D40.10 D40.14 D40.16 D40.18 D43.7 D43.9 D43.10 D43.11 D44.2 D44.7 D45.6 D45.8 D46.8 D47.12 D47.13 D47.14 D48.5 X1.A1 X1.A2 X1.A13 X1.A14 X1.A18 X1.A20 X1.A21 X1.A22 X1.A23 X1.A24 X1.A25 X1.A27 X1.B1 X1.B2 X1.B20 X1.B21 X1.B22 X1.B23 X1.B24 X1.B25 X1.B26 X1.B28

## Polygon pours and split planes (outlines as drawn)
no net on Top Overlay (solid): 187.25,39.875 187.25,44.375 192.25,49.375 196.25,49.375 196.25,39.875 194.25,39.875 194.25,41.875 191.75,41.875 191.75,44.375 193.75,44.375 193.75,46.375
no net on Top Overlay (solid): 173.75,44.375 173.75,39.875 180.25,46.375 180.25,44.375 178.25,44.375 178.25,41.875 180.75,41.875 180.75,39.875 182.75,39.875 182.75,49.375 178.75,49.375
no net on Top Overlay (solid): 197.25,46.875 199.75,46.875 199.75,39.875 202.25,39.875 202.25,46.875 204.75,46.875 204.75,49.375 197.25,49.375
no net on Top Overlay (solid): 183.75,49.375 188.75,49.375 188.75,46.875 186.25,46.875 186.25,39.875 183.75,39.875

## Keep-outs
Keep-Out Layer:
  lines w0.1: 13.75,23.85 13.75,146.95 14.8,148 253,148 253.75,147.25 253.75,74.45 253.05,73.75 236.35,73.75 235.625,73.025 235.625,57.975 236.1,57.5 253,57.5 253.75,56.75 253.75,34.375 253.75,23.65 253.225,23.125 252.988,23.125 248.838,23.125 245.8,23.125 245.8,8.4 244.7,7.3 171.4,7.3 170.3,8.4 170.3,23.1 170.275,23.125 14.475,23.125 13.75,23.85

## Silkscreen, mask and mechanical layers (free items; w line width, h text height)
Top Overlay:
  circle w0.254: c143.525,30.025 r2
  lines w0.254: 144.7,28.375 144.7,28.95 ; 144.7,31.05 144.7,31.625 ; 170.3,23.3 245.45,23.3
  text "Фг3.089.121" at 40.625,123.75 h4 r90
  text "emuverse.ru agatcomp.ru v1.0" at 251.752,87.1 h4 r90
  text "+" at 142.054,25.9 h1.52
  text "-" at 162.154,25.792 h1.52
Mechanical 2:
  lines w0.254: 0,0 266.25,0 266.25,156.875 0,156.875 0,0

## Text inside footprints (layer, text, board x,y; h text height)
X1: Top Overlay "B30" at 246.4,24.384 h2; Top Overlay "B1" at 167,24.384 h2; Bottom Overlay "A30" at 251.792,24.284 h2; Bottom Overlay "A1" at 169.692,24.384 h2
X2: Top Overlay "2" at 230.4,53.325 h2; Top Overlay "^" at 225.45,53.575 h3; Top Overlay "4" at 230.4,57.075 h2; Top Overlay "V" at 225.7,57.175 h2; Top Overlay "5" at 230.4,60.825 h2; Top Overlay "H" at 225.7,60.925 h2; Top Overlay "7" at 230.4,64.575 h2; Top Overlay "Y" at 225.7,64.675 h2; Top Overlay "1" at 230.4,68.325 h2; Top Overlay "B" at 225.7,68.425 h2; Top Overlay "6" at 230.4,72.075 h2; Top Overlay "G" at 225.7,72.175 h2; Top Overlay "3" at 230.4,75.825 h2; Top Overlay "R" at 225.7,75.925 h2